# KiCad board d20_tri_r0.3_4x1.kicad_pcb (continued)
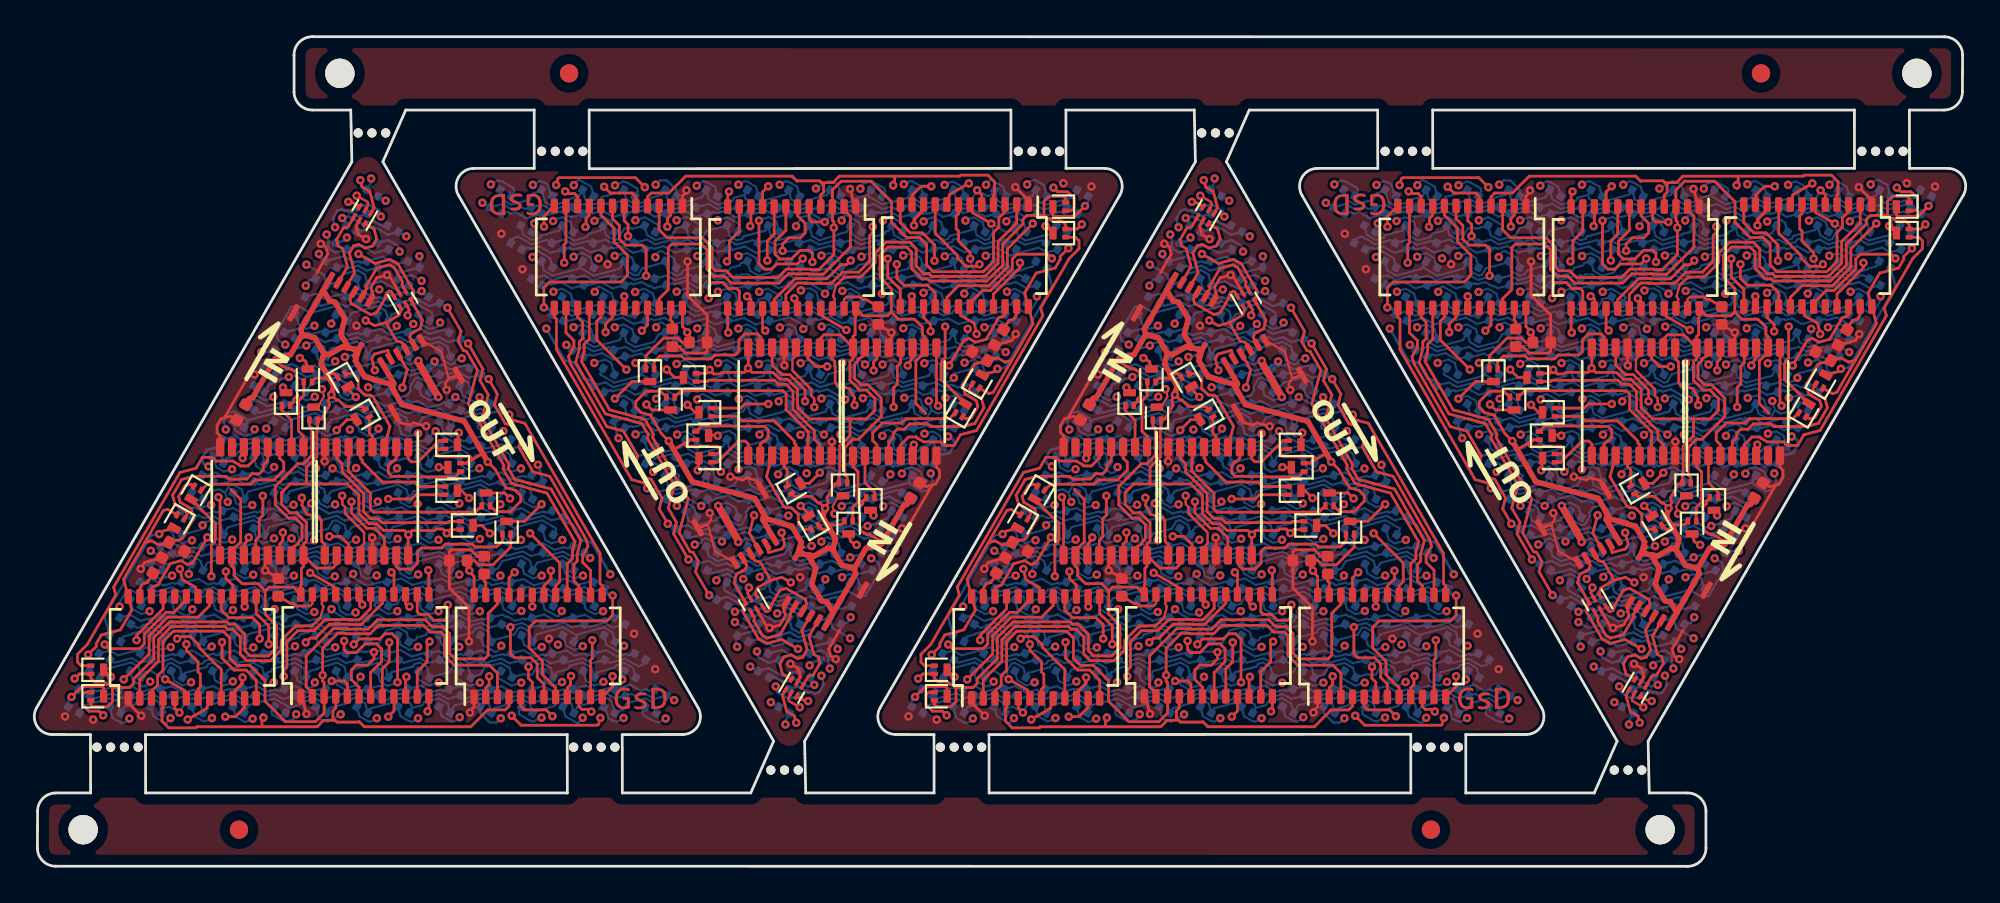
[diagram p0: board, top side]
## Nets (continued)
colr_1: D2.4 D2#2.4 D2#3.4 D2#4.4 D18.4 D18#2.4 D18#3.4 D18#4.4 D34.4 D34#2.4 D34#3.4 D34#4.4 D50.4 D50#2.4 D50#3.4 D50#4.4 D66.4 D66#2.4 D66#3.4 D66#4.4 D82.4 D82#2.4 D82#3.4 D82#4.4 D98.4 D98#2.4 D98#3.4 D98#4.4 D114.4 D114#2.4 D114#3.4 D114#4.4 D130.4 D130#2.4 D130#3.4 D130#4.4 D146.4 D146#2.4 D146#3.4 D146#4.4 D162.4 D162#2.4 D162#3.4 D162#4.4 D178.4 D178#2.4 D178#3.4 D178#4.4 D194.4 D194#2.4 D194#3.4 D194#4.4 D210.4 D210#2.4 D210#3.4 D210#4.4 U1.6 U1#2.6 U1#3.6 U1#4.6
colr_2: D3.4 D3#2.4 D3#3.4 D3#4.4 D19.4 D19#2.4 D19#3.4 D19#4.4 D35.4 D35#2.4 D35#3.4 D35#4.4 D51.4 D51#2.4 D51#3.4 D51#4.4 D67.4 D67#2.4 D67#3.4 D67#4.4 D83.4 D83#2.4 D83#3.4 D83#4.4 D99.4 D99#2.4 D99#3.4 D99#4.4 D115.4 D115#2.4 D115#3.4 D115#4.4 D131.4 D131#2.4 D131#3.4 D131#4.4 D147.4 D147#2.4 D147#3.4 D147#4.4 D163.4 D163#2.4 D163#3.4 D163#4.4 D179.4 D179#2.4 D179#3.4 D179#4.4 D195.4 D195#2.4 D195#3.4 D195#4.4 U1.7 U1#2.7 U1#3.7 U1#4.7
colr_3: D4.4 D4#2.4 D4#3.4 D4#4.4 D20.4 D20#2.4 D20#3.4 D20#4.4 D36.4 D36#2.4 D36#3.4 D36#4.4 D52.4 D52#2.4 D52#3.4 D52#4.4 D68.4 D68#2.4 D68#3.4 D68#4.4 D84.4 D84#2.4 D84#3.4 D84#4.4 D100.4 D100#2.4 D100#3.4 D100#4.4 D116.4 D116#2.4 D116#3.4 D116#4.4 D132.4 D132#2.4 D132#3.4 D132#4.4 D148.4 D148#2.4 D148#3.4 D148#4.4 D164.4 D164#2.4 D164#3.4 D164#4.4 D180.4 D180#2.4 D180#3.4 D180#4.4 U1.8 U1#2.8 U1#3.8 U1#4.8
colr_4: D5.4 D5#2.4 D5#3.4 D5#4.4 D21.4 D21#2.4 D21#3.4 D21#4.4 D37.4 D37#2.4 D37#3.4 D37#4.4 D53.4 D53#2.4 D53#3.4 D53#4.4 D69.4 D69#2.4 D69#3.4 D69#4.4 D85.4 D85#2.4 D85#3.4 D85#4.4 D101.4 D101#2.4 D101#3.4 D101#4.4 D117.4 D117#2.4 D117#3.4 D117#4.4 D133.4 D133#2.4 D133#3.4 D133#4.4 D149.4 D149#2.4 D149#3.4 D149#4.4 D165.4 D165#2.4 D165#3.4 D165#4.4 U1.9 U1#2.9 U1#3.9 U1#4.9
colr_5: D6.4 D6#2.4 D6#3.4 D6#4.4 D22.4 D22#2.4 D22#3.4 D22#4.4 D38.4 D38#2.4 D38#3.4 D38#4.4 D54.4 D54#2.4 D54#3.4 D54#4.4 D70.4 D70#2.4 D70#3.4 D70#4.4 D86.4 D86#2.4 D86#3.4 D86#4.4 D102.4 D102#2.4 D102#3.4 D102#4.4 D118.4 D118#2.4 D118#3.4 D118#4.4 D134.4 D134#2.4 D134#3.4 D134#4.4 D150.4 D150#2.4 D150#3.4 D150#4.4 U1.10 U1#2.10 U1#3.10 U1#4.10
colr_6: D7.4 D7#2.4 D7#3.4 D7#4.4 D23.4 D23#2.4 D23#3.4 D23#4.4 D39.4 D39#2.4 D39#3.4 D39#4.4 D55.4 D55#2.4 D55#3.4 D55#4.4 D71.4 D71#2.4 D71#3.4 D71#4.4 D87.4 D87#2.4 D87#3.4 D87#4.4 D103.4 D103#2.4 D103#3.4 D103#4.4 D119.4 D119#2.4 D119#3.4 D119#4.4 D135.4 D135#2.4 D135#3.4 D135#4.4 U1.11 U1#2.11 U1#3.11 U1#4.11
colr_7: D8.4 D8#2.4 D8#3.4 D8#4.4 D24.4 D24#2.4 D24#3.4 D24#4.4 D40.4 D40#2.4 D40#3.4 D40#4.4 D56.4 D56#2.4 D56#3.4 D56#4.4 D72.4 D72#2.4 D72#3.4 D72#4.4 D88.4 D88#2.4 D88#3.4 D88#4.4 D104.4 D104#2.4 D104#3.4 D104#4.4 D120.4 D120#2.4 D120#3.4 D120#4.4 U1.12 U1#2.12 U1#3.12 U1#4.12
colr_8: D9.4 D9#2.4 D9#3.4 D9#4.4 D25.4 D25#2.4 D25#3.4 D25#4.4 D41.4 D41#2.4 D41#3.4 D41#4.4 D57.4 D57#2.4 D57#3.4 D57#4.4 D73.4 D73#2.4 D73#3.4 D73#4.4 D89.4 D89#2.4 D89#3.4 D89#4.4 D105.4 D105#2.4 D105#3.4 D105#4.4 U1.13 U1#2.13 U1#3.13 U1#4.13
colr_9: D10.4 D10#2.4 D10#3.4 D10#4.4 D26.4 D26#2.4 D26#3.4 D26#4.4 D42.4 D42#2.4 D42#3.4 D42#4.4 D58.4 D58#2.4 D58#3.4 D58#4.4 D74.4 D74#2.4 D74#3.4 D74#4.4 D90.4 D90#2.4 D90#3.4 D90#4.4 U1.14 U1#2.14 U1#3.14 U1#4.14
colr_10: D11.4 D11#2.4 D11#3.4 D11#4.4 D27.4 D27#2.4 D27#3.4 D27#4.4 D43.4 D43#2.4 D43#3.4 D43#4.4 D59.4 D59#2.4 D59#3.4 D59#4.4 D75.4 D75#2.4 D75#3.4 D75#4.4 U1.15 U1#2.15 U1#3.15 U1#4.15
colr_11: D12.4 D12#2.4 D12#3.4 D12#4.4 D28.4 D28#2.4 D28#3.4 D28#4.4 D44.4 D44#2.4 D44#3.4 D44#4.4 D60.4 D60#2.4 D60#3.4 D60#4.4 U1.16 U1#2.16 U1#3.16 U1#4.16
colr_12: D13.4 D13#2.4 D13#3.4 D13#4.4 D29.4 D29#2.4 D29#3.4 D29#4.4 D45.4 D45#2.4 D45#3.4 D45#4.4 U1.17 U1#2.17 U1#3.17 U1#4.17
colr_13: D14.4 D14#2.4 D14#3.4 D14#4.4 D30.4 D30#2.4 D30#3.4 D30#4.4 U1.18 U1#2.18 U1#3.18 U1#4.18
colr_14: D15.4 D15#2.4 D15#3.4 D15#4.4 U1.19 U1#2.19 U1#3.19 U1#4.19
colr_15: U1.20 U1#2.20 U1#3.20 U1#4.20
dat: U1.2 U1#2.2 U1#3.2 U1#4.2 U6.6 U6#2.6 U6#3.6 U6#4.6
dat_i: J1.2 J1#2.2 J1#3.2 J1#4.2 U6.1 U6#2.1 U6#3.1 U6#4.1
dat_out: J2.2 J2#2.2 J2#3.2 J2#4.2 U5.9 U5#2.9 U5#3.9 U5#4.9
latch: J2.4 J2#2.4 J2#3.4 J2#4.4 U1.4 U1#2.4 U1#3.4 U1#4.4 U2.4 U2#2.4 U2#3.4 U2#4.4 U3.4 U3#2.4 U3#3.4 U3#4.4 U4.12 U4#2.12 U4#3.12 U4#4.12 U5.12 U5#2.12 U5#3.12 U5#4.12 U7.4 U7#2.4 U7#3.4 U7#4.4
latch_i: J1.4 J1#2.4 J1#3.4 J1#4.4 U7.3 U7#2.3 U7#3.3 U7#4.3
row_0: D1.1 D1#2.1 D1#3.1 D1#4.1 D2.1 D2#2.1 D2#3.1 D2#4.1 D3.1 D3#2.1 D3#3.1 D3#4.1 D4.1 D4#2.1 D4#3.1 D4#4.1 D5.1 D5#2.1 D5#3.1 D5#4.1 D6.1 D6#2.1 D6#3.1 D6#4.1 D7.1 D7#2.1 D7#3.1 D7#4.1 D8.1 D8#2.1 D8#3.1 D8#4.1 D9.1 D9#2.1 D9#3.1 D9#4.1 D10.1 D10#2.1 D10#3.1 D10#4.1 D11.1 D11#2.1 D11#3.1 D11#4.1 D12.1 D12#2.1 D12#3.1 D12#4.1 D13.1 D13#2.1 D13#3.1 D13#4.1 D14.1 D14#2.1 D14#3.1 D14#4.1 D15.1 D15#2.1 D15#3.1 D15#4.1 Q1.3 Q1#2.3 Q1#3.3 Q1#4.3
row_1: D17.1 D17#2.1 D17#3.1 D17#4.1 D18.1 D18#2.1 D18#3.1 D18#4.1 D19.1 D19#2.1 D19#3.1 D19#4.1 D20.1 D20#2.1 D20#3.1 D20#4.1 D21.1 D21#2.1 D21#3.1 D21#4.1 D22.1 D22#2.1 D22#3.1 D22#4.1 D23.1 D23#2.1 D23#3.1 D23#4.1 D24.1 D24#2.1 D24#3.1 D24#4.1 D25.1 D25#2.1 D25#3.1 D25#4.1 D26.1 D26#2.1 D26#3.1 D26#4.1 D27.1 D27#2.1 D27#3.1 D27#4.1 D28.1 D28#2.1 D28#3.1 D28#4.1 D29.1 D29#2.1 D29#3.1 D29#4.1 D30.1 D30#2.1 D30#3.1 D30#4.1 Q2.3 Q2#2.3 Q2#3.3 Q2#4.3
row_2: D33.1 D33#2.1 D33#3.1 D33#4.1 D34.1 D34#2.1 D34#3.1 D34#4.1 D35.1 D35#2.1 D35#3.1 D35#4.1 D36.1 D36#2.1 D36#3.1 D36#4.1 D37.1 D37#2.1 D37#3.1 D37#4.1 D38.1 D38#2.1 D38#3.1 D38#4.1 D39.1 D39#2.1 D39#3.1 D39#4.1 D40.1 D40#2.1 D40#3.1 D40#4.1 D41.1 D41#2.1 D41#3.1 D41#4.1 D42.1 D42#2.1 D42#3.1 D42#4.1 D43.1 D43#2.1 D43#3.1 D43#4.1 D44.1 D44#2.1 D44#3.1 D44#4.1 D45.1 D45#2.1 D45#3.1 D45#4.1 Q3.3 Q3#2.3 Q3#3.3 Q3#4.3
row_3: D49.1 D49#2.1 D49#3.1 D49#4.1 D50.1 D50#2.1 D50#3.1 D50#4.1 D51.1 D51#2.1 D51#3.1 D51#4.1 D52.1 D52#2.1 D52#3.1 D52#4.1 D53.1 D53#2.1 D53#3.1 D53#4.1 D54.1 D54#2.1 D54#3.1 D54#4.1 D55.1 D55#2.1 D55#3.1 D55#4.1 D56.1 D56#2.1 D56#3.1 D56#4.1 D57.1 D57#2.1 D57#3.1 D57#4.1 D58.1 D58#2.1 D58#3.1 D58#4.1 D59.1 D59#2.1 D59#3.1 D59#4.1 D60.1 D60#2.1 D60#3.1 D60#4.1 Q4.3 Q4#2.3 Q4#3.3 Q4#4.3
row_4: D65.1 D65#2.1 D65#3.1 D65#4.1 D66.1 D66#2.1 D66#3.1 D66#4.1 D67.1 D67#2.1 D67#3.1 D67#4.1 D68.1 D68#2.1 D68#3.1 D68#4.1 D69.1 D69#2.1 D69#3.1 D69#4.1 D70.1 D70#2.1 D70#3.1 D70#4.1 D71.1 D71#2.1 D71#3.1 D71#4.1 D72.1 D72#2.1 D72#3.1 D72#4.1 D73.1 D73#2.1 D73#3.1 D73#4.1 D74.1 D74#2.1 D74#3.1 D74#4.1 D75.1 D75#2.1 D75#3.1 D75#4.1 Q5.3 Q5#2.3 Q5#3.3 Q5#4.3
row_5: D81.1 D81#2.1 D81#3.1 D81#4.1 D82.1 D82#2.1 D82#3.1 D82#4.1 D83.1 D83#2.1 D83#3.1 D83#4.1 D84.1 D84#2.1 D84#3.1 D84#4.1 D85.1 D85#2.1 D85#3.1 D85#4.1 D86.1 D86#2.1 D86#3.1 D86#4.1 D87.1 D87#2.1 D87#3.1 D87#4.1 D88.1 D88#2.1 D88#3.1 D88#4.1 D89.1 D89#2.1 D89#3.1 D89#4.1 D90.1 D90#2.1 D90#3.1 D90#4.1 Q6.3 Q6#2.3 Q6#3.3 Q6#4.3
row_6: D97.1 D97#2.1 D97#3.1 D97#4.1 D98.1 D98#2.1 D98#3.1 D98#4.1 D99.1 D99#2.1 D99#3.1 D99#4.1 D100.1 D100#2.1 D100#3.1 D100#4.1 D101.1 D101#2.1 D101#3.1 D101#4.1 D102.1 D102#2.1 D102#3.1 D102#4.1 D103.1 D103#2.1 D103#3.1 D103#4.1 D104.1 D104#2.1 D104#3.1 D104#4.1 D105.1 D105#2.1 D105#3.1 D105#4.1 Q7.3 Q7#2.3 Q7#3.3 Q7#4.3
row_7: D113.1 D113#2.1 D113#3.1 D113#4.1 D114.1 D114#2.1 D114#3.1 D114#4.1 D115.1 D115#2.1 D115#3.1 D115#4.1 D116.1 D116#2.1 D116#3.1 D116#4.1 D117.1 D117#2.1 D117#3.1 D117#4.1 D118.1 D118#2.1 D118#3.1 D118#4.1 D119.1 D119#2.1 D119#3.1 D119#4.1 D120.1 D120#2.1 D120#3.1 D120#4.1 Q8.3 Q8#2.3 Q8#3.3 Q8#4.3
row_8: D129.1 D129#2.1 D129#3.1 D129#4.1 D130.1 D130#2.1 D130#3.1 D130#4.1 D131.1 D131#2.1 D131#3.1 D131#4.1 D132.1 D132#2.1 D132#3.1 D132#4.1 D133.1 D133#2.1 D133#3.1 D133#4.1 D134.1 D134#2.1 D134#3.1 D134#4.1 D135.1 D135#2.1 D135#3.1 D135#4.1 Q9.3 Q9#2.3 Q9#3.3 Q9#4.3
row_9: D145.1 D145#2.1 D145#3.1 D145#4.1 D146.1 D146#2.1 D146#3.1 D146#4.1 D147.1 D147#2.1 D147#3.1 D147#4.1 D148.1 D148#2.1 D148#3.1 D148#4.1 D149.1 D149#2.1 D149#3.1 D149#4.1 D150.1 D150#2.1 D150#3.1 D150#4.1 Q10.3 Q10#2.3 Q10#3.3 Q10#4.3
row_10: D161.1 D161#2.1 D161#3.1 D161#4.1 D162.1 D162#2.1 D162#3.1 D162#4.1 D163.1 D163#2.1 D163#3.1 D163#4.1 D164.1 D164#2.1 D164#3.1 D164#4.1 D165.1 D165#2.1 D165#3.1 D165#4.1 Q11.3 Q11#2.3 Q11#3.3 Q11#4.3
row_11: D177.1 D177#2.1 D177#3.1 D177#4.1 D178.1 D178#2.1 D178#3.1 D178#4.1 D179.1 D179#2.1 D179#3.1 D179#4.1 D180.1 D180#2.1 D180#3.1 D180#4.1 Q12.3 Q12#2.3 Q12#3.3 Q12#4.3
row_12: D193.1 D193#2.1 D193#3.1 D193#4.1 D194.1 D194#2.1 D194#3.1 D194#4.1 D195.1 D195#2.1 D195#3.1 D195#4.1 Q13.3 Q13#2.3 Q13#3.3 Q13#4.3
row_13: D209.1 D209#2.1 D209#3.1 D209#4.1 D210.1 D210#2.1 D210#3.1 D210#4.1 Q14.3 Q14#2.3 Q14#3.3 Q14#4.3
row_14: D225.1 D225#2.1 D225#3.1 D225#4.1 Q15.3 Q15#2.3 Q15#3.3 Q15#4.3
sclk: J2.5 J2#2.5 J2#3.5 J2#4.5 U1.3 U1#2.3 U1#3.3 U1#4.3 U2.3 U2#2.3 U2#3.3 U2#4.3 U3.3 U3#2.3 U3#3.3 U3#4.3 U4.11 U4#2.11 U4#3.11 U4#4.11 U5.11 U5#2.11 U5#3.11 U5#4.11 U7.6 U7#2.6 U7#3.6 U7#4.6
sclk_i: J1.5 J1#2.5 J1#3.5 J1#4.5 U7.1 U7#2.1 U7#3.1 U7#4.1
sdo_U1>sdi_U2: U1.22 U1#2.22 U1#3.22 U1#4.22 U2.2 U2#2.2 U2#3.2 U2#4.2
sdo_U2>sdi_U3: U2.22 U2#2.22 U2#3.22 U2#4.22 U3.2 U3#2.2 U3#3.2 U3#4.2
sdo_U3: U3.22 U3#2.22 U3#3.22 U3#4.22 U4.14 U4#2.14 U4#3.14 U4#4.14
sdo_U4>sdi_U5: U4.9 U4#2.9 U4#3.9 U4#4.9 U5.14 U5#2.14 U5#3.14 U5#4.14
srow_0: Q1.1 Q1#2.1 Q1#3.1 Q1#4.1 U4.15 U4#2.15 U4#3.15 U4#4.15
srow_1: Q2.1 Q2#2.1 Q2#3.1 Q2#4.1 U4.1 U4#2.1 U4#3.1 U4#4.1
srow_2: Q3.1 Q3#2.1 Q3#3.1 Q3#4.1 U4.2 U4#2.2 U4#3.2 U4#4.2
srow_3: Q4.1 Q4#2.1 Q4#3.1 Q4#4.1 U4.3 U4#2.3 U4#3.3 U4#4.3
srow_4: Q5.1 Q5#2.1 Q5#3.1 Q5#4.1 U4.4 U4#2.4 U4#3.4 U4#4.4
srow_5: Q6.1 Q6#2.1 Q6#3.1 Q6#4.1 U4.5 U4#2.5 U4#3.5 U4#4.5
srow_6: Q7.1 Q7#2.1 Q7#3.1 Q7#4.1 U4.6 U4#2.6 U4#3.6 U4#4.6
srow_7: Q8.1 Q8#2.1 Q8#3.1 Q8#4.1 U4.7 U4#2.7 U4#3.7 U4#4.7
srow_8: Q9.1 Q9#2.1 Q9#3.1 Q9#4.1 U5.15 U5#2.15 U5#3.15 U5#4.15
srow_9: Q10.1 Q10#2.1 Q10#3.1 Q10#4.1 U5.1 U5#2.1 U5#3.1 U5#4.1
srow_10: Q11.1 Q11#2.1 Q11#3.1 Q11#4.1 U5.2 U5#2.2 U5#3.2 U5#4.2
srow_11: Q12.1 Q12#2.1 Q12#3.1 Q12#4.1 U5.3 U5#2.3 U5#3.3 U5#4.3
srow_12: Q13.1 Q13#2.1 Q13#3.1 Q13#4.1 U5.4 U5#2.4 U5#3.4 U5#4.4
srow_13: Q14.1 Q14#2.1 Q14#3.1 Q14#4.1 U5.5 U5#2.5 U5#3.5 U5#4.5
srow_14: Q15.1 Q15#2.1 Q15#3.1 Q15#4.1 U5.6 U5#2.6 U5#3.6 U5#4.6
U1_r_ext: R1.1 R1#2.1 R1#3.1 R1#4.1 U1.23 U1#2.23 U1#3.23 U1#4.23
U2_r_ext: R2.1 R2#2.1 R2#3.1 R2#4.1 U2.23 U2#2.23 U2#3.23 U2#4.23
U3_r_ext: R3.1 R3#2.1 R3#3.1 R3#4.1 U3.23 U3#2.23 U3#3.23 U3#4.23

Pads without a net: U5 7; U5#2 7; U5#3 7; U5#4 7

## Via types
v1: diameter 0.46, hole 0.2, Top to Bottom, 1048 vias

## Routing (per net, layer and track width the routed paths; a pad name or vN(x,y) marks a point on that pad's centre or on a via; arc(x,y) is an arc through that point)
gnd: length 242.1
  Top w0.114: v1(22.49,25.98) 22.41,26.3 22.6,26.62 22.21,28.07 J2#2.6 ; v1(82.84,19.27) 82.92,18.96 82.74,18.63 83.12,17.18 J2#4.6 ; v1(68.49,25.98) 68.41,26.3 68.6,26.62 68.21,28.07 J2#3.6 ; v1(36.84,19.27) 36.92,18.96 36.74,18.63 37.12,17.18 J2.6
  Top w0.15: v1(44.49,36.95) 44.73,36.02 U2.1 ; U5.8 49.21,22.39 49.21,21.76 49.36,21.6 49.36,21.22 49.15,20.85 48.97,20.8 ; U5.13 46.79,29.02 v1(46.74,29.12) 46.03,29.52 R2.2 ; v1(40.91,27.32) 40.89,27.34 U4.13 ; 48.97,20.8 47.65,18.52 v1(47.32,18.43) ; 48.97,20.8 48.64,20.71 C3.2 ; v1(53.5,37.04) 54.21,36.33 U3.1 ; 43.53,23.19 43.49,23.15 U4.8 ; 35.63,33.04 35.63,31.14 36.7,30.07 C2.2 36.7,28.11 36.58,27.99 35.52,27.99 35.17,28.34 R1.2 ; 35.68,36.89 35.35,36.56 U1.1 ; 23.66,8.36 23.99,8.69 U1#2.1 ; 23.71,12.21 23.71,14.11 22.64,15.18 C2#2.2 22.64,17.14 22.76,17.26 23.81,17.26 24.16,16.91 R1#2.2 ; U4#2.8 15.84,22.1 15.81,22.06 ; U3#2.1 5.12,8.93 v1(5.83,8.21) ; C3#2.2 10.69,24.55 10.36,24.46 ; 10.36,24.46 11.68,26.74 v1(12.01,26.83) ; 10.36,24.46 10.18,24.41 9.97,24.03 9.97,23.65 10.13,23.49 10.13,22.87 U5#2.8 ; U4#2.13 18.44,17.92 v1(18.43,17.93) ; U5#2.13 12.54,16.24 v1(12.59,16.14) 13.3,15.73 R2#2.2 ; U2#2.1 14.6,9.23 v1(14.84,8.31) ; 22.6,26.62 22.89,26.7 22.9,26.72 J2#2.SH ; U7#2.2 19.36,32.22 v1(19.24,32.25) 18.67,32.1 18.37,31.58 18.48,31.14 J1#2.6 ; v1(15.62,33.95) 15.91,33.79 16.01,33.41 15.4,32.36 ; U6#2.2 17.55,34.92 17.68,34.45 v1(18.09,34.21) ; R3#2.2 6.01,16.58 v1(5.81,16.22) ; J2#2.SH 19.93,24.21 20.47,24.06 20.69,24.19 v1(21.37,24) ; 69.66,8.36 69.99,8.69 U1#3.1 ; 81.68,36.89 81.35,36.56 U1#4.1 ; 81.63,33.04 81.63,31.14 82.7,30.07 C2#3.2 82.7,28.11 82.58,27.99 81.52,27.99 81.17,28.34 R1#4.2 ; U4#3.8 89.49,23.15 89.53,23.19 ; U3#3.1 100.21,36.33 v1(99.5,37.04) ; C3#3.2 94.64,20.71 94.97,20.8 ; 69.71,12.21 69.71,14.11 68.64,15.18 C2#4.2 68.64,17.14 68.76,17.26 69.81,17.26 70.16,16.91 R1#3.2 ; U4#4.8 61.84,22.1 61.81,22.06 ; U3#4.1 51.12,8.93 v1(51.83,8.21) ; C3#4.2 56.69,24.55 56.36,24.46 ; 56.36,24.46 57.68,26.74 v1(58.01,26.83) ; 56.36,24.46 56.18,24.41 55.97,24.03 55.97,23.65 56.13,23.49 56.13,22.87 U5#3.8 ; 94.97,20.8 93.65,18.52 v1(93.32,18.43) ; 94.97,20.8 95.15,20.85 95.36,21.22 95.36,21.6 95.21,21.76 95.21,22.39 U5#4.8 ; U4#3.13 86.89,27.34 v1(86.91,27.32) ; U5#4.13 92.79,29.02 v1(92.74,29.12) 92.03,29.52 R2#4.2 ; U2#4.1 90.73,36.02 v1(90.49,36.95) ; 82.74,18.63 82.44,18.55 82.43,18.53 J2#4.SH ; U7#3.2 85.97,13.04 v1(86.09,13.01) 86.67,13.16 86.97,13.68 86.85,14.12 J1#4.6 ; v1(89.71,11.3) 89.43,11.46 89.32,11.85 89.93,12.89 ; U6#4.2 87.78,10.33 87.66,10.8 v1(87.24,11.04) ; R3#4.2 99.32,28.68 v1(99.52,29.03) ; J2#4.SH 85.4,21.05 84.86,21.19 84.64,21.07 v1(83.96,21.25) ; U5#3.13 58.54,16.24 v1(58.59,16.14) 59.3,15.73 R2#3.2 ; U2#3.1 60.6,9.23 v1(60.84,8.31) ; U4#4.13 64.44,17.92 v1(64.43,17.93) ; 68.6,26.62 68.89,26.7 68.9,26.72 J2#3.SH ; 61.4,32.36 62.01,33.41 61.91,33.79 v1(61.62,33.95) ; U7#4.2 65.36,32.22 v1(65.24,32.25) 64.67,32.1 64.37,31.58 64.48,31.14 J1#3.6 ; R3#3.2 52.01,16.58 v1(51.81,16.22) ; v1(67.37,24) 66.69,24.19 66.47,24.06 65.93,24.21 J2#3.SH ; U6#3.2 63.55,34.92 63.68,34.45 v1(64.09,34.21) ; J1.6 40.85,14.12 40.97,13.68 40.67,13.16 v1(40.09,13.01) 39.97,13.04 U7.2 ; J2.SH 36.43,18.53 36.44,18.55 36.74,18.63 ; v1(37.96,21.25) 38.64,21.07 38.86,21.19 39.4,21.05 J2.SH ; U6.2 41.78,10.33 41.66,10.8 v1(41.24,11.04) ; R3.2 53.32,28.68 v1(53.52,29.03) ; v1(43.71,11.3) 43.43,11.46 43.32,11.85 43.93,12.89
  In1.Cu w0.15: v1(15.84,22.09) 15.84,21.42 15.92,21.34 ; v1(89.49,23.17) 89.49,23.83 89.42,23.91 ; v1(61.84,22.09) 61.84,21.42 61.92,21.34 ; v1(43.49,23.17) 43.49,23.83 43.42,23.91
  In2.Cu w0.15: v1(15.62,33.95) 15.31,33.87 15.07,33.46 15.04,33.36 15.34,32.84 15.31,32.71 15.74,31.09 15.59,30.83 15.87,30.35 17.29,29.97 v1(17.57,29.49) 18.74,27.46 18.92,27.41 19.17,26.44 19.06,26.03 19.06,25.3 18.27,24.5 18.27,23.1 17.69,22.52 16.27,22.52 v1(15.84,22.09) ; v1(23.71,12.26) 23.87,11.98 24.73,11.75 25.54,10.34 ; v1(14.84,8.31) 14.42,9.04 15.32,12.37 15.13,12.68 13.65,14.17 ; v1(89.71,11.3) 90.02,11.39 90.26,11.8 90.29,11.9 89.99,12.42 90.02,12.55 89.59,14.16 89.74,14.42 89.46,14.91 88.04,15.29 v1(87.76,15.77) 86.59,17.8 86.42,17.85 86.16,18.81 86.27,19.23 86.27,19.95 87.07,20.75 87.07,22.15 87.65,22.73 89.06,22.73 v1(89.49,23.17) ; v1(81.63,32.99) 81.46,33.27 80.6,33.5 79.79,34.92 ; v1(90.49,36.95) 90.91,36.22 90.01,32.89 90.2,32.57 91.68,31.09 ; v1(61.62,33.95) 61.31,33.87 61.07,33.46 61.04,33.36 61.34,32.84 61.31,32.71 61.74,31.09 61.59,30.83 61.87,30.35 63.29,29.97 v1(63.57,29.49) 64.74,27.46 64.92,27.41 65.17,26.44 65.06,26.03 65.06,25.3 64.27,24.5 64.27,23.1 63.69,22.52 62.27,22.52 v1(61.84,22.09) ; v1(69.71,12.26) 69.87,11.98 70.73,11.75 71.54,10.34 ; 59.65,14.17 61.13,12.68 61.32,12.37 60.42,9.04 v1(60.84,8.31) ; v1(43.71,11.3) 44.02,11.39 44.26,11.8 44.29,11.9 43.99,12.42 44.02,12.55 43.59,14.16 43.74,14.42 43.46,14.91 42.04,15.29 v1(41.76,15.77) 40.59,17.8 40.42,17.85 40.16,18.81 40.27,19.23 40.27,19.95 41.07,20.75 41.07,22.15 41.65,22.73 43.06,22.73 v1(43.49,23.17) ; v1(44.49,36.95) 44.91,36.22 44.01,32.89 44.2,32.57 45.68,31.09 ; 33.79,34.92 34.6,33.5 35.46,33.27 v1(35.63,32.99)
  vias: v1(1.68,8.18) v1(3.21,8) v1(23.76,8.39) v1(25.47,34.5) v1(26.62,32.57) v1(28.07,12.41) v1(31.27,32.84) v1(32.71,12.69) v1(33.86,10.75) v1(35.57,36.87) v1(47.68,8.18) v1(49.21,8) v1(56.12,37.26) v1(57.65,37.08) v1(69.76,8.39) v1(71.47,34.5) v1(72.62,32.57) v1(74.07,12.41) v1(77.27,32.84) v1(78.71,12.69) v1(79.86,10.75) v1(81.57,36.87) v1(102.12,37.26) v1(103.65,37.08)
vcc: length 742.4
  Top w0.127: v1(17.59,36.58) 18.18,36.24 18.22,36.08 U6#2.5 ; v1(87.75,8.68) 87.15,9.02 87.11,9.17 U6#4.5 ; v1(63.59,36.58) 64.18,36.24 64.22,36.08 U6#3.5 ; U6.5 41.11,9.17 41.15,9.02 v1(41.75,8.68)
  Top w0.15: 45.53,18.11 45.45,18.08 45.08,18.29 44.99,18.63 44.99,19.58 45.18,19.77 45.18,19.92 Q11.2 ; 45.53,18.11 45.73,17.99 ; 45.53,18.11 46.16,17.74 46.31,17.78 ; U1.24 35.35,29.45 35.73,29.07 C2.1 35.33,28.58 35.1,28.81 34.32,28.81 33.35,27.84 Q1.2 ; U4.16 38.94,27.15 38.73,26.94 37.5,26.94 37.41,26.85 37.06,26.85 v1(36.83,27.08) ; 36.79,27.07 v1(36.83,27.08) ; v1(36.83,27.08) 36.64,26.89 Q8.2 ; 43.07,19.43 v1(43.13,19.54) ; v1(43.13,19.54) 42.85,19.82 42.75,19.82 42.38,20.18 41.45,20.18 Q5.2 ; v1(43.13,19.54) 43.3,19.83 43.22,20.1 43.66,20.85 43.88,20.91 ; v1(43.13,19.54) 43.11,19.55 ; v1(34.6,23.2) 34.9,22.69 34.92,22.76 35.42,23.05 ; v1(34.6,23.2) 34.63,23.17 34.63,23.14 ; v1(34.6,23.2) 34.2,23.6 33.62,24.61 33.06,24.75 33.06,24.78 32.8,25.04 32.8,25.34 33.37,25.91 34.15,25.91 Q7.2 ; 40.18,25.25 40.15,25.22 ; v1(24.73,22.06) 24.71,22.08 24.71,22.11 ; v1(24.73,22.06) 24.43,22.57 24.42,22.49 23.91,22.2 ; v1(24.73,22.06) 25.13,21.65 25.71,20.65 26.27,20.5 26.27,20.48 26.53,20.21 26.53,19.91 25.96,19.34 25.18,19.34 Q7#2.2 ; 19.15,20 19.18,20.03 ; v1(22.5,18.17) 22.27,18.4 21.92,18.4 21.83,18.31 20.61,18.31 20.39,18.1 U4#2.16 ; v1(22.5,18.17) 22.54,18.18 ; v1(22.5,18.17) 22.69,18.36 Q8#2.2 ; U1#2.24 23.99,15.81 23.61,16.19 C2#2.1 24,16.67 24.23,16.44 25.01,16.44 25.98,17.41 Q1#2.2 ; 13.02,27.47 13.17,27.51 13.8,27.15 ; 13.8,27.15 13.6,27.26 ; 13.8,27.15 13.89,27.17 14.25,26.96 14.34,26.63 14.34,25.67 14.15,25.48 14.15,25.33 Q11#2.2 ; 16.26,25.82 v1(16.2,25.72) ; v1(16.2,25.72) 16.22,25.71 ; v1(16.2,25.72) 16.48,25.44 16.58,25.44 16.95,25.07 17.88,25.07 Q5#2.2 ; v1(16.2,25.72) 16.03,25.43 16.11,25.16 15.67,24.4 Q9#2.2 15.45,23.86 15.41,23.81 15.41,22.32 14.85,21.76 14.85,20.85 ; U5#2.16 14.68,16.36 14.57,16.25 14.57,15.36 14.53,15.33 U2#2.24 14.14,15.23 12.8,15.23 12.6,15.02 ; U5#2.16 14.68,17.56 14.85,17.73 14.85,18.75 14.33,19.27 13.96,19.27 13.49,19.74 13.49,20.38 13.96,20.85 14.85,20.85 ; U5#2.16 15.38,16.27 16.27,16.27 16.49,16.49 U4#2.10 ; 20.4,30.12 v1(20.36,30.05) 20.44,30.35 U7#2.5 ; v1(2.94,11.54) 3.38,11.99 3.38,12.14 3.66,12.62 4.7,12.9 5.32,13.98 U3#2.24 4.87,15.66 6.02,17.65 ; 12.6,15.02 12.21,15.41 11.34,15.41 10.9,15.85 10.9,16.25 10.78,16.36 U5#2.10 10.78,17.22 11.26,17.7 11.26,20.01 10.71,20.56 ; 12.6,15.02 12.6,13.74 13.21,13.13 13.21,11.91 12.77,11.48 11.76,11.48 11.49,11.76 11.49,12.65 10.94,13.2 10.64,13.2 10.51,13.33 7.38,13.33 6.52,12.47 6.52,11.33 5.43,10.23 5.43,9.98 5.19,9.75 4.27,9.75 ; 4.27,9.75 4.22,9.8 ; 4.27,9.75 4.1,9.91 3.96,9.91 3.81,10.06 3.29,10.06 3.08,10.27 Q14#2.2 2.46,10.49 v1(2.2,10.24) ; 4.27,9.75 4.27,8.97 4.01,8.71 3.19,8.71 3.08,8.82 Q15#2.2 ; 17.67,28.15 17.85,28.46 ; 14.85,20.85 17.08,20.85 17.7,20.23 17.7,19.24 18.26,18.68 18.68,18.68 19.04,18.32 20.18,18.32 v1(20.41,18.09) ; Q10#2.2 15.34,26.62 15.91,26.62 16.02,26.73 ; 17.99,26.7 18.01,26.7 ; 15.93,26.89 15.95,26.87 16.34,26.87 Q4#2.2 ; Q2#2.2 22.08,22.76 21.96,22.64 21.96,22.49 22.11,22.34 23.78,22.34 23.91,22.2 ; 23.91,22.2 23.81,22.15 23.71,22.15 23.56,21.99 Q3#2.2 ; Q6#2.2 20.8,20.26 20.58,20.04 v1(19.3,20.04) ; 6.02,17.65 6.4,17.75 6.8,17.52 C1#2.1 8.04,17.85 8.7,18.99 8.56,19.51 7.95,19.86 7.87,20.16 8.22,20.77 8.52,20.85 Q12#2.2 ; 6.02,17.65 7.03,19.41 7.27,19.47 Q13#2.2 ; U4#4.16 66.39,18.1 66.61,18.31 67.83,18.31 67.92,18.4 68.27,18.4 v1(68.5,18.17) ; U1#3.24 69.99,15.81 69.61,16.19 C2#4.1 70,16.67 70.23,16.44 71.01,16.44 71.98,17.41 Q1#3.2 ; 68.54,18.18 v1(68.5,18.17) ; v1(68.5,18.17) 68.69,18.36 Q8#3.2 ; v1(80.6,23.2) 80.63,23.17 80.63,23.14 ; v1(80.6,23.2) 80.9,22.69 80.92,22.76 81.42,23.05 ; v1(80.6,23.2) 80.2,23.6 79.62,24.61 79.06,24.75 79.06,24.78 78.8,25.04 78.8,25.34 79.37,25.91 80.15,25.91 Q7#4.2 ; 86.18,25.25 86.15,25.22 ; v1(82.83,27.08) 83.06,26.85 83.41,26.85 83.5,26.94 84.73,26.94 84.94,27.15 U4#3.16 ; v1(82.83,27.08) 82.79,27.07 ; v1(82.83,27.08) 82.64,26.89 Q8#4.2 ; U1#4.24 81.35,29.45 81.73,29.07 C2#3.1 81.33,28.58 81.1,28.81 80.32,28.81 79.35,27.84 Q1#4.2 ; 70.71,22.11 70.71,22.08 v1(70.73,22.06) ; 52.02,17.65 53.03,19.41 53.27,19.47 Q13#3.2 ; 52.02,17.65 52.4,17.75 52.8,17.52 C1#4.1 54.04,17.85 54.7,18.99 54.56,19.51 53.95,19.86 53.87,20.16 54.22,20.77 54.52,20.85 Q12#4.2 ; 52.02,17.65 50.87,15.66 U3#4.24 51.32,13.98 50.7,12.9 49.66,12.62 49.38,12.14 49.38,11.99 v1(48.94,11.54) ; 92.31,17.78 92.16,17.74 91.53,18.11 ; v1(70.73,22.06) 70.43,22.57 70.42,22.49 69.91,22.2 ; v1(70.73,22.06) 71.13,21.65 71.71,20.65 72.27,20.5 72.27,20.48 72.53,20.21 72.53,19.91 71.96,19.34 71.18,19.34 Q7#3.2 ; 91.53,18.11 91.73,17.99 ; 91.53,18.11 91.45,18.08 91.08,18.29 90.99,18.63 90.99,19.58 91.18,19.77 91.18,19.92 Q11#3.2 ; 89.07,19.43 v1(89.13,19.54) ; v1(89.13,19.54) 89.11,19.55 ; v1(89.13,19.54) 88.85,19.82 88.75,19.82 88.38,20.18 87.45,20.18 Q5#4.2 ; v1(89.13,19.54) 89.3,19.83 89.22,20.1 89.66,20.85 89.88,20.91 ; U5#4.16 90.65,28.89 90.76,29.01 90.76,29.89 90.8,29.93 U2#4.24 91.19,30.03 92.53,30.03 92.74,30.23 ; U5#4.16 90.65,27.69 90.48,27.53 90.48,26.5 91.01,25.98 91.38,25.98 91.85,25.51 91.85,24.87 91.38,24.4 90.49,24.4 ; U5#4.16 89.95,28.99 89.06,28.99 88.84,28.76 U4#3.10 ; 84.93,15.13 v1(84.97,15.2) 84.89,14.91 U7#3.5 ; v1(102.4,33.71) 101.95,33.26 101.95,33.11 101.67,32.63 100.64,32.36 100.01,31.28 U3#3.24 100.46,29.6 99.31,27.6 ; 58.6,15.02 58.6,13.74 59.21,13.13 59.21,11.91 58.77,11.48 57.76,11.48 57.49,11.76 57.49,12.65 56.94,13.2 56.64,13.2 56.51,13.33 53.38,13.33 52.52,12.47 52.52,11.33 51.43,10.23 51.43,9.98 51.19,9.75 50.27,9.75 ; 58.6,15.02 58.8,15.23 60.14,15.23 U2#3.24 60.53,15.33 60.57,15.36 60.57,16.25 60.68,16.36 U5#3.16 ; 58.6,15.02 58.21,15.41 57.34,15.41 56.9,15.85 56.9,16.25 56.78,16.36 U5#3.10 56.78,17.22 57.26,17.7 57.26,20.01 56.71,20.56 ; 92.74,30.23 93.13,29.84 94,29.84 94.43,29.4 94.44,29.01 94.55,28.89 U5#4.10 94.55,28.03 94.08,27.56 94.08,25.24 94.62,24.7 ; 92.74,30.23 92.74,31.51 92.13,32.12 92.13,33.34 92.56,33.78 93.57,33.78 93.84,33.5 93.84,32.6 94.4,32.05 94.7,32.05 94.82,31.92 97.95,31.92 98.81,32.78 98.81,33.93 99.91,35.02 99.91,35.27 100.14,35.5 101.06,35.5 ; 101.06,35.5 101.11,35.45 ; 101.06,35.5 101.23,35.34 101.38,35.34 101.52,35.19 102.05,35.19 102.25,34.99 Q14#3.2 102.87,34.76 v1(103.13,35.02) ; 101.06,35.5 101.06,36.28 101.33,36.54 102.14,36.54 102.25,36.43 Q15#3.2 ; Q2#3.2 68.08,22.76 67.96,22.64 67.96,22.49 68.11,22.34 69.78,22.34 69.91,22.2 ; 87.66,17.11 87.48,16.8 ; 90.49,24.4 90.49,23.49 89.93,22.93 89.93,21.44 89.88,21.4 Q9#3.2 ; 90.49,24.4 88.26,24.4 87.63,25.03 87.63,26.01 87.07,26.57 86.65,26.57 86.29,26.94 85.15,26.94 v1(84.93,27.17) ; Q10#3.2 89.99,18.64 89.42,18.64 89.31,18.53 ; 87.34,18.55 87.32,18.55 ; 89.4,18.37 89.39,18.38 88.99,18.38 Q4#4.2 ; Q2#4.2 83.25,22.49 83.38,22.62 83.38,22.77 83.23,22.92 81.55,22.92 81.42,23.05 ; 81.42,23.05 81.52,23.11 81.62,23.11 81.78,23.27 Q3#4.2 ; 60.85,20.85 60.85,21.76 61.41,22.32 61.41,23.81 61.45,23.86 Q9#4.2 61.67,24.4 62.11,25.16 62.03,25.43 v1(62.2,25.72) ; 60.85,20.85 59.96,20.85 59.49,20.38 59.49,19.74 59.96,19.27 60.33,19.27 60.85,18.75 60.85,17.73 60.68,17.56 U5#3.16 ; 60.85,20.85 63.08,20.85 63.7,20.23 63.7,19.24 64.26,18.68 64.68,18.68 65.04,18.32 66.18,18.32 v1(66.41,18.09) ; Q6#4.2 84.53,24.99 84.75,25.22 v1(86.03,25.22) ; Q3#3.2 69.56,21.99 69.71,22.15 69.81,22.15 69.91,22.2 ; Q4#3.2 62.34,26.87 61.95,26.87 61.93,26.89 ; 99.31,27.6 98.94,27.5 98.53,27.73 C1#3.1 97.29,27.4 96.63,26.26 96.77,25.75 97.38,25.4 97.46,25.09 97.11,24.49 96.81,24.41 Q12#3.2 ; 99.31,27.6 98.3,25.85 98.06,25.78 Q13#4.2 ; Q15#4.2 49.08,8.82 49.19,8.71 50.01,8.71 50.27,8.97 50.27,9.75 ; 50.27,9.75 50.22,9.8 ; 50.27,9.75 50.1,9.91 49.96,9.91 49.81,10.06 49.29,10.06 49.08,10.27 Q14#4.2 48.46,10.49 v1(48.2,10.24) ; v1(65.3,20.04) 66.58,20.04 66.8,20.26 Q6#3.2 ; 63.67,28.15 63.85,28.46 ; v1(62.2,25.72) 62.48,25.44 62.58,25.44 62.95,25.07 63.88,25.07 Q5#3.2 ; v1(62.2,25.72) 62.26,25.82 ; v1(62.2,25.72) 62.22,25.71 ; Q11#4.2 60.15,25.33 60.15,25.48 60.34,25.67 60.34,26.63 60.25,26.96 59.89,27.17 59.8,27.15 ; 63.99,26.7 64.01,26.7 ; 59.8,27.15 59.6,27.26 ; 59.8,27.15 59.17,27.51 59.02,27.47 ; U5#3.16 61.38,16.27 62.27,16.27 62.49,16.49 U4#4.10 ; U7#4.5 66.44,30.35 v1(66.36,30.05) 66.4,30.12 ; Q10#4.2 61.34,26.62 61.91,26.62 62.02,26.73 ; 65.15,20 65.18,20.03 ; 41.66,17.11 41.48,16.8 ; U5.16 44.65,28.89 44.76,29.01 44.76,29.89 44.8,29.93 U2.24 45.19,30.03 46.53,30.03 46.74,30.23 ; U5.16 44.65,27.69 44.48,27.53 44.48,26.5 45.01,25.98 45.38,25.98 45.85,25.51 45.85,24.87 45.38,24.4 44.49,24.4 ; U5.16 43.95,28.99 43.06,28.99 42.84,28.76 U4.10 ; 44.49,24.4 42.26,24.4 41.63,25.03 41.63,26.01 41.07,26.57 40.65,26.57 40.29,26.94 39.15,26.94 v1(38.93,27.17) ; 44.49,24.4 44.49,23.49 43.93,22.93 43.93,21.44 43.88,21.4 Q9.2 ; Q12.2 50.81,24.41 51.11,24.49 51.46,25.09 51.38,25.4 50.77,25.75 50.63,26.26 51.29,27.4 C1.1 52.53,27.73 52.94,27.5 53.31,27.6 ; 48.62,24.7 48.08,25.24 48.08,27.56 48.55,28.03 U5.10 48.55,28.89 48.44,29.01 48.43,29.4 48,29.84 47.13,29.84 46.74,30.23 ; 38.93,15.13 v1(38.97,15.2) 38.89,14.91 U7.5 ; 46.74,30.23 46.74,31.51 46.13,32.12 46.13,33.34 46.56,33.78 47.57,33.78 47.84,33.5 47.84,32.6 48.4,32.05 48.7,32.05 48.82,31.92 51.95,31.92 52.81,32.78 52.81,33.93 53.91,35.02 53.91,35.27 54.14,35.5 55.06,35.5 ; 55.06,35.5 55.06,36.28 55.33,36.54 56.14,36.54 56.25,36.43 Q15.2 ; 55.06,35.5 55.23,35.34 55.38,35.34 55.52,35.19 56.05,35.19 56.25,34.99 Q14.2 56.87,34.76 v1(57.13,35.02) ; 55.06,35.5 55.11,35.45 ; v1(56.4,33.71) 55.95,33.26 55.95,33.11 55.67,32.63 54.64,32.36 54.01,31.28 U3.24 54.46,29.6 53.31,27.6 ; Q6.2 38.53,24.99 38.75,25.22 v1(40.03,25.22) ; 43.31,18.53 43.42,18.64 43.99,18.64 Q10.2 ; 53.31,27.6 52.3,25.85 52.06,25.78 Q13.2 ; 35.42,23.05 35.52,23.11 35.62,23.11 35.78,23.27 Q3.2 ; 35.42,23.05 35.55,22.92 37.23,22.92 37.38,22.77 37.38,22.62 37.25,22.49 Q2.2 ; 43.4,18.37 43.39,18.38 42.99,18.38 Q4.2 ; 41.34,18.55 41.32,18.55